# Altium PCB CSI2-ZCU106-EVK_Rev01.PcbDoc (part 2 of 4) (continued)
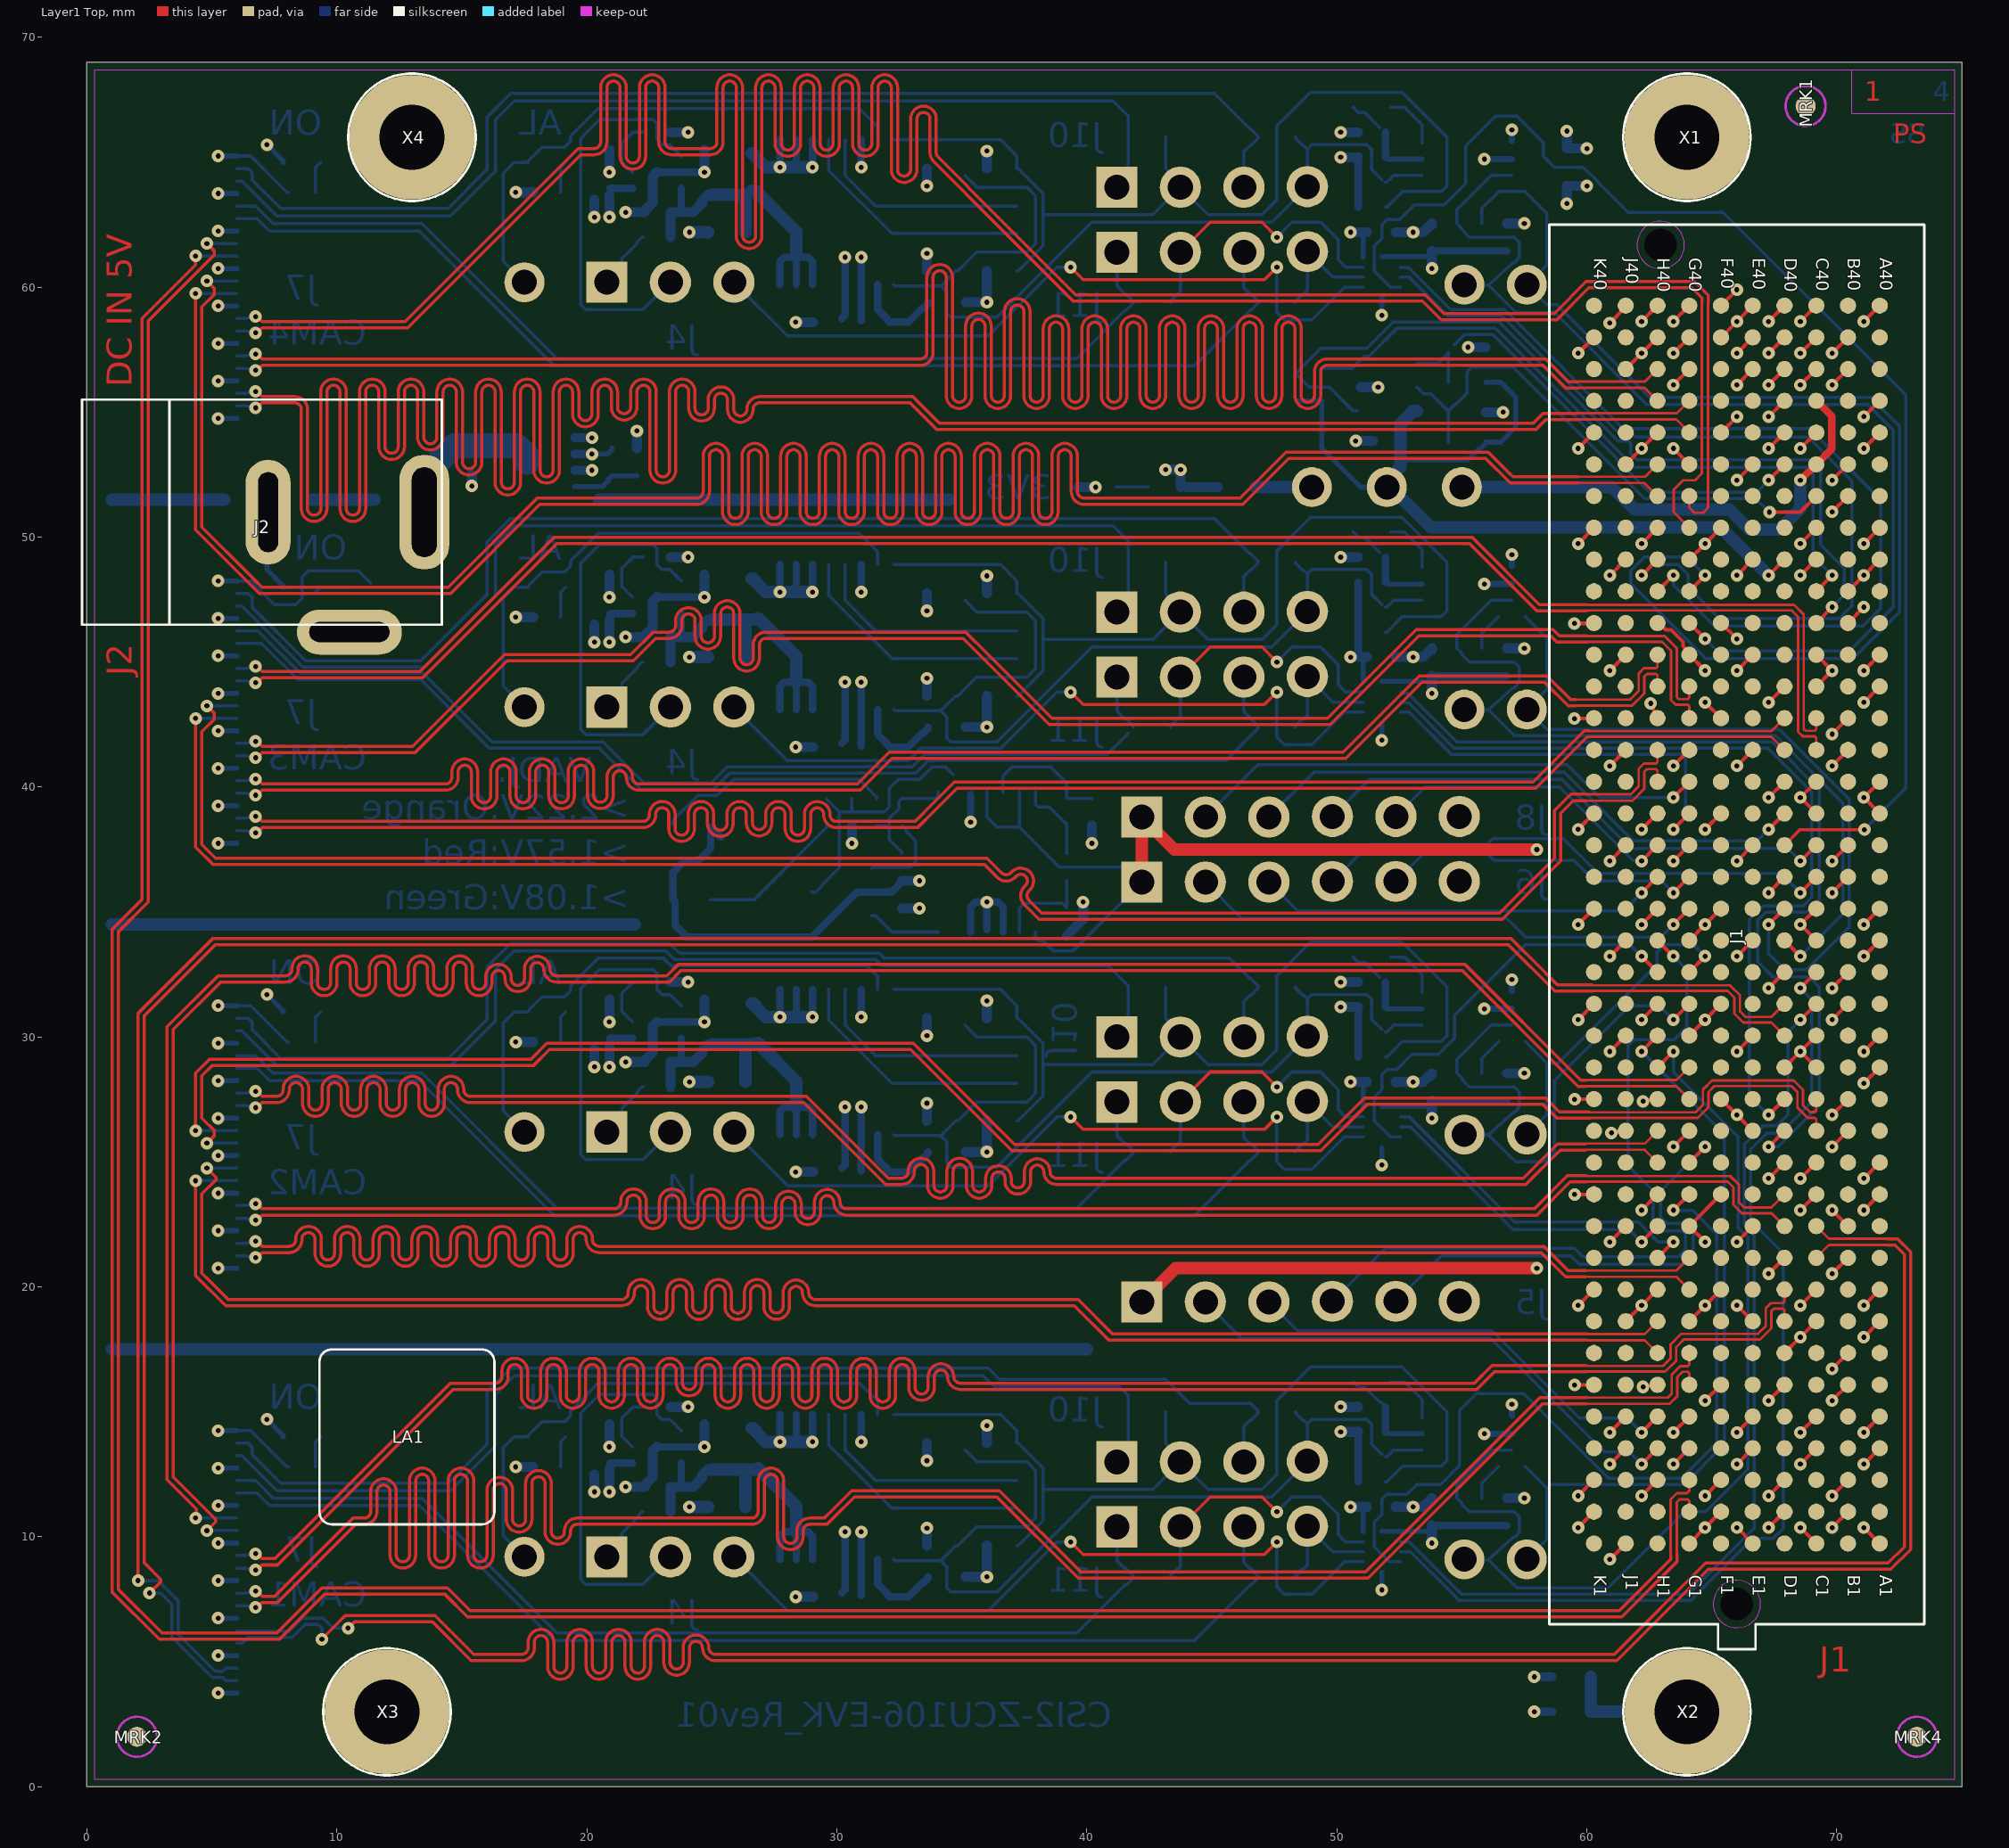
[diagram p0: Layer1 Top view]
## Nets (pads, with @x,y where several pads share a name; then routed paths per layer and width w, separated by ;. In a path a pad name is that pad's centre, name@x,y a point inside that pad or via, vN(x,y) a via of type N, cw(c..) or ccw(c..) an arc to the next point about the centre after c; other vN are vias at no path point) (continued)
  Layer4 Bottom w0.125: J7_CAM4.15@6,58.25 6.338,58.25 cw(c6.338,58.125) 6.361,58.248 6.445,58.232 v1(6.75,58.175)
B7-CSI2-TXD0_CAM1_N: J1.D18 J7_CAM1.20 | length 98
  Layer1 Top w0.1: 60.2,32.082 60.235,32.082 60.248,32.07 65.723,32.07 66.125,31.668 66.125,31.027 66.35,30.802 67.382,30.802 J1.D18@67.905,31.325
  Layer1 Top w0.125: v1(2.05,8.25) 2.05,30.954 5.046,33.95 56.954,33.95 58.252,32.652 58.429,32.475 58.821,32.082 60.2,32.082
  Layer4 Bottom w0.125: v1(2.05,8.25) 2.85,8.25 3.65,7.45 3.65,6.098 5.123,4.625 5.425,4.625 5.55,4.75 J7_CAM1.20@6,4.75
B7-CSI2-TXD0_CAM1_P: J1.D17 J7_CAM1.21 | length 97.9
  Layer1 Top w0.1: 60.2,31.832 60.235,31.832 60.248,31.845 65.63,31.845 65.9,31.575 65.9,30.934 66.257,30.577 67.383,30.577 J1.D17@67.905,30.055
  Layer1 Top w0.125: v1(2.5,7.75) 2.948,8.198 2.948,8.302 2.3,8.95 2.3,30.85 5.15,33.7 56.85,33.7 58.718,31.832 60.2,31.832
  Layer4 Bottom w0.125: v1(2.5,7.75) 2.95,7.75 3.4,7.3 3.4,5.995 5.02,4.375 5.384,4.375 5.425,4.375 5.55,4.25 J7_CAM1.21@6,4.25
B7-CSI2-TXD0_CAM2_N: J1.G10 J7_CAM2.20 | length 74
  Layer1 Top w0.1: 59.95,20.655 63.585,20.655 J1.G10@64.095,21.165
  Layer1 Top w0.125: v1(6.75,21.825) 6.811,21.825 7.011,21.625 7.9,21.625 7.995,21.625 8.088,21.625 ccw(c8.088,21.888) 8.35,21.888 8.35,21.913 cw(c8.863,21.913) 9.375,21.913 9.375,21.337 ccw(c9.638,21.337) 9.9,21.337 9.9,21.913 cw(c10.413,21.913) 10.925,21.913 10.925,21.337 ccw(c11.188,21.337) 11.45,21.337 11.45,21.913 cw(c11.963,21.913) 12.475,21.913 12.475,21.337 ccw(c12.738,21.337) 13,21.337 13,21.913 cw(c13.513,21.913) 14.025,21.913 14.025,21.337 ccw(c14.288,21.337) 14.55,21.337 14.55,21.913 cw(c15.063,21.913) 15.575,21.913 15.575,21.337 ccw(c15.838,21.337) 16.1,21.337 16.1,21.913 cw(c16.613,21.913) 17.125,21.913 17.125,21.337 ccw(c17.388,21.337) 17.65,21.337 17.65,21.913 cw(c18.163,21.913) 18.675,21.913 18.675,21.337 ccw(c18.938,21.337) 19.2,21.337 19.2,21.913 cw(c19.713,21.913) 20.225,21.913 20.225,21.888 ccw(c20.488,21.888) 20.488,21.625 32.9,21.625 58.279,21.625 59.249,20.655 59.95,20.655
  Layer4 Bottom w0.125: J7_CAM2.20@6,21.75 6.338,21.75 ccw(c6.338,21.875) 6.361,21.752 6.445,21.768 v1(6.75,21.825)
B7-CSI2-TXD0_CAM2_P: J1.G9 J7_CAM2.21 | length 74
  Layer1 Top w0.1: 59.95,20.405 63.585,20.405 J1.G9@64.095,19.895
  Layer1 Top w0.125: v1(6.75,21.175) 6.811,21.175 7.011,21.375 7.9,21.375 8.099,21.375 8.139,21.375 8.142,21.378 ccw(c8.088,21.888) 8.6,21.888 8.6,21.913 cw(c8.863,21.913) 9.125,21.913 9.125,21.337 ccw(c9.638,21.337) 10.15,21.337 10.15,21.913 cw(c10.413,21.913) 10.675,21.913 10.675,21.337 ccw(c11.188,21.337) 11.7,21.337 11.7,21.913 cw(c11.963,21.913) 12.225,21.913 12.225,21.337 ccw(c12.738,21.337) 13.25,21.337 13.25,21.913 cw(c13.513,21.913) 13.775,21.913 13.775,21.337 ccw(c14.288,21.337) 14.8,21.337 14.8,21.913 cw(c15.063,21.913) 15.325,21.913 15.325,21.337 ccw(c15.838,21.337) 16.35,21.337 16.35,21.913 cw(c16.613,21.913) 16.875,21.913 16.875,21.337 ccw(c17.388,21.337) 17.9,21.337 17.9,21.913 cw(c18.163,21.913) 18.425,21.913 18.425,21.337 ccw(c18.938,21.337) 19.45,21.337 19.45,21.913 cw(c19.713,21.913) 19.975,21.913 19.975,21.888 ccw(c20.488,21.888) 20.488,21.375 32.9,21.375 58.175,21.375 59.145,20.405 59.95,20.405
  Layer4 Bottom w0.125: J7_CAM2.21@6,21.25 6.338,21.25 cw(c6.338,21.125) 6.361,21.248 6.445,21.232 v1(6.75,21.175)
B7-CSI2-TXD0_CAM3_N: J1.D27 J7_CAM3.20 | length 71.9
  Layer1 Top w0.1: 60.15,42.232 67.383,42.232 J1.D27@67.905,42.755
  Layer1 Top w0.125: v1(6.75,38.825) 6.811,38.825 7.011,38.625 7.995,38.625 22.05,38.625 22.238,38.625 ccw(c22.238,38.887) 22.5,38.887 22.5,38.913 cw(c23.013,38.913) 23.525,38.913 23.525,38.337 ccw(c23.788,38.337) 24.05,38.337 24.05,38.913 cw(c24.563,38.913) 25.075,38.913 25.075,38.533 ccw(c25.338,38.533) 25.6,38.533 25.6,38.913 cw(c26.113,38.913) 26.625,38.913 26.625,38.558 ccw(c26.888,38.558) 27.15,38.558 27.15,38.913 cw(c27.663,38.913) 28.175,38.913 28.175,38.337 ccw(c28.438,38.337) 28.7,38.337 28.7,38.906 cw(c29.213,38.906) 29.725,38.906 29.725,38.887 ccw(c29.988,38.887) 29.988,38.625 33.125,38.625 33.9,39.4 34.7,40.2 57.85,40.2 59.9,42.25 60.1,42.25
  Layer4 Bottom w0.125: J7_CAM3.20@6,38.75 6.338,38.75 ccw(c6.338,38.875) 6.361,38.752 6.445,38.768 v1(6.75,38.825)
B7-CSI2-TXD0_CAM3_P: J1.D26 J7_CAM3.21 | length 71.9
  Layer1 Top w0.1: 60.077,42.007 67.383,42.007 J1.D26@67.905,41.485
  Layer1 Top w0.125: v1(6.75,38.175) 6.811,38.175 7.011,38.375 8.099,38.375 22.05,38.375 22.238,38.375 ccw(c22.238,38.887) 22.75,38.887 22.75,38.913 cw(c23.013,38.913) 23.275,38.913 23.275,38.337 ccw(c23.788,38.337) 24.3,38.337 24.3,38.913 cw(c24.563,38.913) 24.825,38.913 24.825,38.533 ccw(c25.338,38.533) 25.85,38.533 25.85,38.913 cw(c26.113,38.913) 26.375,38.913 26.375,38.558 ccw(c26.888,38.558) 27.4,38.558 27.4,38.913 cw(c27.663,38.913) 27.925,38.913 27.925,38.337 ccw(c28.438,38.337) 28.95,38.337 28.95,38.906 cw(c29.213,38.906) 29.475,38.906 29.475,38.887 ccw(c29.988,38.887) 29.988,38.375 33.229,38.375 33.9,39.046 34.804,39.95 56.854,39.95 57.954,39.95 60.004,42 60.077,42
  Layer4 Bottom w0.125: J7_CAM3.21@6,38.25 6.338,38.25 cw(c6.338,38.125) 6.361,38.248 6.445,38.232 v1(6.75,38.175)
B7-CSI2-TXD0_CAM4_N: J1.G37 J7_CAM4.20 | length 125.4
  Layer1 Top w0.1: 59.65,54.955 63.595,54.955 J1.G37@64.095,55.455
  Layer1 Top w0.125: v1(6.75,55.825) 6.811,55.825 7.011,55.625 7.35,55.625 8.313,55.625 cw(c8.313,55.112) 8.825,55.112 8.825,51.137 ccw(c9.088,51.137) 9.35,51.137 9.35,55.812 cw(c9.863,55.812) 10.375,55.812 10.375,51.137 ccw(c10.638,51.137) 10.9,51.137 10.9,55.812 cw(c11.413,55.812) 11.925,55.812 11.925,53.619 ccw(c12.188,53.619) 12.45,53.619 12.45,55.812 cw(c12.963,55.812) 13.475,55.812 13.475,54 ccw(c13.738,54) 14,54 14,55.812 cw(c14.513,55.812) 15.025,55.812 15.025,53 ccw(c15.288,53) 15.55,53 15.55,55.812 cw(c16.063,55.812) 16.575,55.812 16.575,52.193 ccw(c16.838,52.193) 17.1,52.193 17.1,55.812 cw(c17.613,55.812) 18.125,55.812 18.125,52.675 ccw(c18.388,52.675) 18.65,52.675 18.65,55.812 cw(c19.163,55.812) 19.675,55.812 19.675,54.925 ccw(c19.938,54.925) 20.2,54.925 20.2,55.812 cw(c20.713,55.812) 21.225,55.812 21.225,55.2 ccw(c21.488,55.2) 21.75,55.2 21.75,55.812 cw(c22.263,55.812) 22.775,55.812 22.775,52.675 ccw(c23.038,52.675) 23.3,52.675 23.3,55.812 cw(c23.813,55.812) 24.325,55.812 24.325,55.155 ccw(c24.588,55.155) 24.85,55.155 24.85,55.5 cw(c25.363,55.5) 25.875,55.5 25.875,55.112 ccw(c26.138,55.112) 26.4,55.112 cw(c26.913,55.112) 26.913,55.625 29.95,55.625 33.029,55.625 34.104,54.55 57.85,54.55 58.25,54.95 59.65,54.95
  Layer4 Bottom w0.125: J7_CAM4.20@6,55.75 6.338,55.75 ccw(c6.338,55.875) 6.361,55.752 6.445,55.768 v1(6.75,55.825)
B7-CSI2-TXD0_CAM4_P: J1.G36 J7_CAM4.21 | length 125.4
  Layer1 Top w0.1: 59.65,54.705 63.575,54.705 J1.G36@64.095,54.185
  Layer1 Top w0.125: v1(6.75,55.175) 6.811,55.175 7.011,55.375 7.35,55.375 8.313,55.375 cw(c8.313,55.112) 8.575,55.112 8.575,51.137 ccw(c9.088,51.137) 9.6,51.137 9.6,55.812 cw(c9.863,55.812) 10.125,55.812 10.125,51.137 ccw(c10.638,51.137) 11.15,51.137 11.15,55.812 cw(c11.413,55.812) 11.675,55.812 11.675,53.619 ccw(c12.188,53.619) 12.7,53.619 12.7,55.812 cw(c12.963,55.812) 13.225,55.812 13.225,54 ccw(c13.738,54) 14.25,54 14.25,55.812 cw(c14.513,55.812) 14.775,55.812 14.775,53 ccw(c15.288,53) 15.8,53 15.8,55.812 cw(c16.063,55.812) 16.325,55.812 16.325,52.193 ccw(c16.838,52.193) 17.35,52.193 17.35,55.812 cw(c17.613,55.812) 17.875,55.812 17.875,52.675 ccw(c18.388,52.675) 18.9,52.675 18.9,55.812 cw(c19.163,55.812) 19.425,55.812 19.425,54.925 ccw(c19.938,54.925) 20.45,54.925 20.45,55.812 cw(c20.713,55.812) 20.975,55.812 20.975,55.2 ccw(c21.488,55.2) 22,55.2 22,55.812 cw(c22.263,55.812) 22.525,55.812 22.525,52.675 ccw(c23.038,52.675) 23.55,52.675 23.55,55.812 cw(c23.813,55.812) 24.075,55.812 24.075,55.155 ccw(c24.588,55.155) 25.1,55.155 25.1,55.5 cw(c25.363,55.5) 25.625,55.5 25.625,55.112 ccw(c26.138,55.112) 26.65,55.112 cw(c26.913,55.112) 26.913,55.375 29.95,55.375 32.925,55.375 34,54.3 57.954,54.3 58.354,54.7 59.65,54.7
  Layer4 Bottom w0.125: J7_CAM4.21@6,55.25 6.338,55.25 cw(c6.338,55.125) 6.361,55.248 6.445,55.232 v1(6.75,55.175)
B7-CSI2-TXD1_CAM1_N: J1.C11 J7_CAM1.17 | length 97.9
  Layer1 Top w0.1: J1.C11@69.175,22.435 69.685,21.925 71.993,21.925
  Layer1 Top w0.125: v1(10.45,6.35) 10.7,6.6 13.821,6.6 15.371,5.05 17.2,5.05 17.388,5.05 ccw(c17.388,5.562) 17.9,5.562 17.9,5.788 cw(c18.163,5.788) 18.425,5.788 18.425,4.812 ccw(c18.938,4.812) 19.45,4.812 19.45,5.788 cw(c19.713,5.788) 19.975,5.788 19.975,4.812 ccw(c20.488,4.812) 21,4.812 21,5.788 cw(c21.263,5.788) 21.525,5.788 21.525,4.812 ccw(c22.038,4.812) 22.55,4.812 22.55,5.788 cw(c22.813,5.788) 23.075,5.788 23.075,4.976 ccw(c23.588,4.976) 24.1,4.976 24.1,5.563 cw(c24.363,5.563) 24.625,5.563 ccw(c25.138,5.562) 25.138,5.05 43.2,5.05 61.204,5.05 64.854,8.7 72.154,8.7 72.95,9.496 72.95,21.404 72.429,21.925 71.993,21.925
  Layer4 Bottom w0.125: J7_CAM1.17@6,6.25 6.021,6.229 8.104,6.229 8.625,6.75 9.454,6.75 9.854,6.35 10.439,6.35 v1(10.45,6.35)
B7-CSI2-TXD1_CAM1_P: J1.C10 J7_CAM1.18 | length 97.8
  Layer1 Top w0.1: J1.C10@69.175,21.165 69.685,21.675 72,21.675
  Layer1 Top w0.125: v1@9.394,5.906 10.012,6.525 10.012,6.531 10.269,6.788 10.275,6.788 10.338,6.85 13.925,6.85 15.475,5.3 17.2,5.3 17.388,5.3 ccw(c17.388,5.562) 17.65,5.562 17.65,5.788 cw(c18.163,5.788) 18.675,5.788 18.675,4.812 ccw(c18.938,4.812) 19.2,4.812 19.2,5.788 cw(c19.713,5.788) 20.225,5.788 20.225,4.812 ccw(c20.488,4.812) 20.75,4.812 20.75,5.788 cw(c21.263,5.788) 21.775,5.788 21.775,4.812 ccw(c22.038,4.812) 22.3,4.812 22.3,5.788 cw(c22.813,5.788) 23.325,5.788 23.325,4.976 ccw(c23.588,4.976) 23.85,4.976 23.85,5.563 cw(c24.363,5.563) 24.875,5.563 ccw(c25.138,5.562) 25.138,5.3 43.2,5.3 61.1,5.3 64.75,8.95 72.05,8.95 72.7,9.6 72.7,21.3 72.325,21.675 72,21.675
  Layer4 Bottom w0.125: J7_CAM1.18@6,5.75 6.211,5.75 6.439,5.979 8.207,5.979 8.729,6.5 9.25,6.5 9.4,6.35 v1(9.4,5.9)
B7-CSI2-TXD1_CAM2_N: J1.D12 J7_CAM2.17 | length 74.2
  Layer1 Top w0.1: 59.95,24.45 59.985,24.45 59.998,24.438 65.731,24.438 66.09,24.078 66.09,23.378 66.293,23.175 67.375,23.175 J1.D12@67.905,23.705
  Layer1 Top w0.125: v1(6.75,23.325) 6.811,23.325 7.011,23.125 7.995,23.125 20.9,23.125 21.088,23.125 ccw(c21.088,23.387) 21.35,23.387 21.35,23.413 cw(c21.863,23.413) 22.375,23.413 22.375,22.837 ccw(c22.638,22.837) 22.9,22.837 22.9,23.413 cw(c23.413,23.413) 23.925,23.413 23.925,22.837 ccw(c24.188,22.837) 24.45,22.837 24.45,23.413 cw(c24.963,23.413) 25.475,23.413 25.475,22.837 ccw(c25.738,22.837) 26,22.837 26,23.413 cw(c26.513,23.413) 27.025,23.413 27.025,22.837 ccw(c27.288,22.837) 27.55,22.837 27.55,23.319 cw(c28.063,23.319) 28.575,23.319 28.575,23 ccw(c28.838,23) 29.1,23 29.1,23.388 cw(c29.613,23.388) 30.125,23.388 ccw(c30.388,23.387) 30.388,23.125 38.05,23.125 57.9,23.125 59.225,24.45 59.95,24.45
  Layer4 Bottom w0.125: J7_CAM2.17@6,23.25 6.338,23.25 ccw(c6.338,23.375) 6.361,23.252 6.445,23.268 v1(6.75,23.325)
B7-CSI2-TXD1_CAM2_P: J1.D11 J7_CAM2.18 | length 74.2
  Layer1 Top w0.1: 59.95,24.2 59.985,24.2 59.998,24.212 65.638,24.212 65.865,23.985 65.865,23.285 66.2,22.95 67.39,22.95 J1.D11@67.905,22.435
  Layer1 Top w0.125: v1(6.75,22.675) 6.811,22.675 7.011,22.875 8.099,22.875 20.9,22.875 21.088,22.875 ccw(c21.088,23.387) 21.6,23.387 21.6,23.413 cw(c21.863,23.413) 22.125,23.413 22.125,22.837 ccw(c22.638,22.837) 23.15,22.837 23.15,23.413 cw(c23.413,23.413) 23.675,23.413 23.675,22.837 ccw(c24.188,22.837) 24.7,22.837 24.7,23.413 cw(c24.963,23.413) 25.225,23.413 25.225,22.837 ccw(c25.738,22.837) 26.25,22.837 26.25,23.413 cw(c26.513,23.413) 26.775,23.413 26.775,22.837 ccw(c27.288,22.837) 27.8,22.837 27.8,23.319 cw(c28.063,23.319) 28.325,23.319 28.325,23 ccw(c28.838,23) 29.35,23 29.35,23.388 cw(c29.613,23.388) 29.875,23.388 ccw(c30.388,23.387) 30.388,22.875 38.05,22.875 58.004,22.875 59.329,24.2 59.95,24.2
  Layer4 Bottom w0.125: J7_CAM2.18@6,22.75 6.338,22.75 cw(c6.338,22.625) 6.361,22.748 6.445,22.732 v1(6.75,22.675)
B7-CSI2-TXD1_CAM3_N: J1.H29 J7_CAM3.17 | length 72.7
  Layer1 Top w0.1: 59.55,43.5 61.732,43.5 61.863,43.631 ccw(c61.555,44.025) 61.949,43.717 62.075,43.843 62.075,44.545 ; 62.1,44.57 62.285,44.755 62.766,44.755 62.825,44.814 J1.H29@62.825,45.295
  Layer1 Top w0.125: v1(6.75,40.325) 6.811,40.325 7.011,40.125 7.995,40.125 14.15,40.125 14.338,40.125 ccw(c14.338,40.387) 14.6,40.387 14.6,40.613 cw(c15.113,40.613) 15.625,40.613 15.625,39.637 ccw(c15.888,39.637) 16.15,39.637 16.15,40.613 cw(c16.663,40.613) 17.175,40.613 17.175,39.637 ccw(c17.438,39.637) 17.7,39.637 17.7,40.613 cw(c18.213,40.613) 18.725,40.613 18.725,39.637 ccw(c18.988,39.637) 19.25,39.637 19.25,40.613 cw(c19.763,40.613) 20.275,40.613 20.275,39.652 ccw(c20.538,39.652) 20.8,39.652 20.8,40.388 cw(c21.313,40.388) 21.825,40.388 ccw(c22.088,40.387) 22.088,40.125 27.1,40.125 30.825,40.125 32.1,41.4 50.25,41.4 53.3,44.45 58.404,44.45 59.354,43.5 59.55,43.5
  Layer4 Bottom w0.125: J7_CAM3.17@6,40.25 6.338,40.25 ccw(c6.338,40.375) 6.361,40.252 6.445,40.268 v1(6.75,40.325)
B7-CSI2-TXD1_CAM3_P: J1.H28 J7_CAM3.18 | length 72.7
  Layer1 Top w0.1: 59.55,43.255 61.805,43.255 62.013,43.463 ccw(c61.555,44.025) 62.117,43.567 ; 62.117,43.567 62.3,43.75 62.3,44.43 62.4,44.53 62.766,44.53 62.825,44.471 J1.H28@62.825,44.025
  Layer1 Top w0.125: v1(6.75,39.675) 6.811,39.675 7.011,39.875 8.099,39.875 14.15,39.875 14.338,39.875 ccw(c14.338,40.387) 14.85,40.387 14.85,40.613 cw(c15.113,40.613) 15.375,40.613 15.375,39.637 ccw(c15.888,39.637) 16.4,39.637 16.4,40.613 cw(c16.663,40.613) 16.925,40.613 16.925,39.637 ccw(c17.438,39.637) 17.95,39.637 17.95,40.613 cw(c18.213,40.613) 18.475,40.613 18.475,39.637 ccw(c18.988,39.637) 19.5,39.637 19.5,40.613 cw(c19.763,40.613) 20.025,40.613 20.025,39.652 ccw(c20.538,39.652) 21.05,39.652 21.05,40.388 cw(c21.313,40.388) 21.575,40.388 ccw(c22.088,40.387) 22.088,39.875 27.1,39.875 30.929,39.875 32.204,41.15 50.354,41.15 53.404,44.2 58.3,44.2 59.25,43.25 59.55,43.25
  Layer4 Bottom w0.125: J7_CAM3.18@6,39.75 6.338,39.75 cw(c6.338,39.625) 6.361,39.748 6.445,39.732 v1(6.75,39.675)
B7-CSI2-TXD1_CAM4_N: J1.H38 J7_CAM4.17 | length 125.2
  Layer1 Top w0.1: 59.65,56.225 62.325,56.225 J1.H38@62.825,56.725
  Layer1 Top w0.125: v1(6.75,57.325) 6.811,57.325 7.011,57.125 7.995,57.125 33.15,57.125 33.338,57.125 ccw(c33.338,57.388) 33.6,57.388 33.6,60.4 cw(c34.113,60.4) 34.625,60.4 34.625,55.663 ccw(c34.888,55.663) 35.15,55.663 35.15,58.45 cw(c35.663,58.45) 36.175,58.45 36.175,55.663 ccw(c36.438,55.663) 36.7,55.663 36.7,59.029 cw(c37.213,59.029) 37.725,59.029 37.725,55.663 ccw(c37.988,55.663) 38.25,55.663 38.25,58.338 cw(c38.763,58.338) 39.275,58.338 39.275,55.663 ccw(c39.538,55.663) 39.8,55.663 39.8,58.338 cw(c40.313,58.338) 40.825,58.338 40.825,55.663 ccw(c41.088,55.663) 41.35,55.663 41.35,58.338 cw(c41.863,58.338) 42.375,58.338 42.375,55.663 ccw(c42.638,55.663) 42.9,55.663 42.9,58.338 cw(c43.413,58.338) 43.925,58.338 43.925,55.663 ccw(c44.188,55.663) 44.45,55.663 44.45,58.338 cw(c44.963,58.338) 45.475,58.338 45.475,55.663 ccw(c45.738,55.663) 46,55.663 46,58.338 cw(c46.513,58.338) 47.025,58.338 47.025,55.663 ccw(c47.288,55.663) 47.55,55.663 47.55,58.338 cw(c48.063,58.338) 48.575,58.338 48.575,55.663 ccw(c48.838,55.663) 49.1,55.663 49.1,56.613 cw(c49.613,56.613) 49.613,57.125 57.727,57.125 58.354,57.125 59.254,56.225 59.65,56.225
  Layer4 Bottom w0.125: J7_CAM4.17@6,57.25 6.338,57.25 ccw(c6.338,57.375) 6.361,57.252 6.445,57.268 v1(6.75,57.325)
B7-CSI2-TXD1_CAM4_P: J1.H37 J7_CAM4.18 | length 125.2
  Layer1 Top w0.1: 59.65,55.975 62.305,55.975 J1.H37@62.825,55.455
  Layer1 Top w0.125: v1(6.75,56.675) 6.811,56.675 7.011,56.875 8.099,56.875 33.15,56.875 33.338,56.875 ccw(c33.338,57.388) 33.85,57.388 33.85,60.4 cw(c34.113,60.4) 34.375,60.4 34.375,55.663 ccw(c34.888,55.663) 35.4,55.663 35.4,58.45 cw(c35.663,58.45) 35.925,58.45 35.925,55.663 ccw(c36.438,55.663) 36.95,55.663 36.95,59.029 cw(c37.213,59.029) 37.475,59.029 37.475,55.663 ccw(c37.988,55.663) 38.5,55.663 38.5,58.338 cw(c38.763,58.338) 39.025,58.338 39.025,55.663 ccw(c39.538,55.663) 40.05,55.663 40.05,58.338 cw(c40.313,58.338) 40.575,58.338 40.575,55.663 ccw(c41.088,55.663) 41.6,55.663 41.6,58.338 cw(c41.863,58.338) 42.125,58.338 42.125,55.663 ccw(c42.638,55.663) 43.15,55.663 43.15,58.338 cw(c43.413,58.338) 43.675,58.338 43.675,55.663 ccw(c44.188,55.663) 44.7,55.663 44.7,58.338 cw(c44.963,58.338) 45.225,58.338 45.225,55.663 ccw(c45.738,55.663) 46.25,55.663 46.25,58.338 cw(c46.513,58.338) 46.775,58.338 46.775,55.663 ccw(c47.288,55.663) 47.8,55.663 47.8,58.338 cw(c48.063,58.338) 48.325,58.338 48.325,55.663 ccw(c48.838,55.663) 49.35,55.663 49.35,56.613 cw(c49.613,56.613) 49.613,56.875 57.727,56.875 58.25,56.875 59.15,55.975 59.65,55.975
  Layer4 Bottom w0.125: J7_CAM4.18@6,56.75 6.338,56.75 cw(c6.338,56.625) 6.361,56.748 6.445,56.732 v1(6.75,56.675)
B7-CSI2-TXD2_CAM1_N: J1.D9 J7_CAM1.11 | length 97.9
  Layer1 Top w0.1: 59.95,16.85 59.985,16.85 59.998,16.837 63.044,16.837 63.35,17.143 63.35,17.693 63.782,18.125 66.837,18.125 66.842,18.125 67.155,18.438 67.155,19.145 67.365,19.355 67.846,19.355 67.905,19.414 J1.D9@67.905,19.895
  Layer1 Top w0.125: v1(6.75,9.325) 6.811,9.325 7.011,9.125 7.521,9.125 14.546,16.15 16.15,16.15 16.338,16.15 ccw(c16.338,16.413) 16.6,16.413 16.6,16.638 cw(c17.113,16.638) 17.625,16.638 17.625,15.663 ccw(c17.888,15.663) 18.15,15.663 18.15,16.638 cw(c18.663,16.638) 19.175,16.638 19.175,15.663 ccw(c19.438,15.663) 19.7,15.663 19.7,16.638 cw(c20.213,16.638) 20.725,16.638 20.725,15.663 ccw(c20.988,15.663) 21.25,15.663 21.25,16.638 cw(c21.763,16.638) 22.275,16.638 22.275,15.663 ccw(c22.538,15.663) 22.8,15.663 22.8,16.638 cw(c23.313,16.638) 23.825,16.638 23.825,16.15 ccw(c24.088,16.15) 24.35,16.15 24.35,16.638 cw(c24.863,16.638) 25.375,16.638 25.375,15.663 ccw(c25.638,15.663) 25.9,15.663 25.9,16.638 cw(c26.413,16.638) 26.925,16.638 26.925,15.663 ccw(c27.188,15.663) 27.45,15.663 27.45,16.638 cw(c27.963,16.638) 28.475,16.638 28.475,15.663 ccw(c28.738,15.663) 29,15.663 29,16.638 cw(c29.513,16.638) 30.025,16.638 30.025,15.663 ccw(c30.288,15.663) 30.55,15.663 30.55,16.638 cw(c31.063,16.638) 31.575,16.638 31.575,15.663 ccw(c31.838,15.663) 32.1,15.663 32.1,16.638 cw(c32.613,16.638) 33.125,16.638 33.125,15.976 ccw(c33.388,15.976) 33.65,15.976 33.65,16.413 cw(c34.163,16.413) 34.675,16.413 ccw(c34.938,16.413) 34.938,16.15 40.725,16.15 43.05,16.15 55.5,16.15 56.2,16.85 59.95,16.85
  Layer4 Bottom w0.125: J7_CAM1.11@6,9.25 6.338,9.25 ccw(c6.338,9.375) 6.361,9.252 6.445,9.268 v1(6.75,9.325)
B7-CSI2-TXD2_CAM1_P: J1.D8 J7_CAM1.12 | length 97.9
  Layer1 Top w0.1: 59.95,16.6 59.985,16.6 59.998,16.612 63.137,16.612 63.575,17.05 63.575,17.6 63.875,17.9 66.837,17.9 66.935,17.9 67.38,18.345 67.38,19.03 67.48,19.13 67.846,19.13 67.905,19.071 J1.D8@67.905,18.625
  Layer1 Top w0.125: v1(6.75,8.675) 6.811,8.675 7.011,8.875 7.625,8.875 14.65,15.9 16.15,15.9 16.338,15.9 ccw(c16.338,16.413) 16.85,16.413 16.85,16.638 cw(c17.113,16.638) 17.375,16.638 17.375,15.663 ccw(c17.888,15.663) 18.4,15.663 18.4,16.638 cw(c18.663,16.638) 18.925,16.638 18.925,15.663 ccw(c19.438,15.663) 19.95,15.663 19.95,16.638 cw(c20.213,16.638) 20.475,16.638 20.475,15.663 ccw(c20.988,15.663) 21.5,15.663 21.5,16.638 cw(c21.763,16.638) 22.025,16.638 22.025,15.663 ccw(c22.538,15.663) 23.05,15.663 23.05,16.638 cw(c23.313,16.638) 23.575,16.638 23.575,16.15 ccw(c24.088,16.15) 24.6,16.15 24.6,16.638 cw(c24.863,16.638) 25.125,16.638 25.125,15.663 ccw(c25.638,15.663) 26.15,15.663 26.15,16.638 cw(c26.413,16.638) 26.675,16.638 26.675,15.663 ccw(c27.188,15.663) 27.7,15.663 27.7,16.638 cw(c27.963,16.638) 28.225,16.638 28.225,15.663 ccw(c28.738,15.663) 29.25,15.663 29.25,16.638 cw(c29.513,16.638) 29.775,16.638 29.775,15.663 ccw(c30.288,15.663) 30.8,15.663 30.8,16.638 cw(c31.063,16.638) 31.325,16.638 31.325,15.663 ccw(c31.838,15.663) 32.35,15.663 32.35,16.638 cw(c32.613,16.638) 32.875,16.638 32.875,15.976 ccw(c33.388,15.976) 33.9,15.976 33.9,16.413 cw(c34.163,16.413) 34.425,16.413 ccw(c34.938,16.413) 34.938,15.9 40.725,15.9 43.05,15.9 55.604,15.9 56.304,16.6 59.95,16.6
  Layer4 Bottom w0.125: J7_CAM1.12@6,8.75 6.338,8.75 cw(c6.338,8.625) 6.361,8.748 6.445,8.732 v1(6.75,8.675)
B7-CSI2-TXD2_CAM2_N: J1.C15 J7_CAM2.11 | length 74.2
  Layer1 Top w0.1: 60.075,27 60.11,27 60.123,26.987 64.342,26.987 64.64,27.285 64.64,27.896 65.007,28.263 68.276,28.263 68.65,27.888 68.65,27.268 68.926,26.992 69.116,26.992 69.175,27.051 J1.C15@69.175,27.515
  Layer1 Top w0.125: v1(4.35,26.25) 4.35,28.554 4.896,29.1 17.75,29.1 18.4,29.75 33.054,29.75 35.727,27.077 35.904,26.9 37.104,25.7 39.154,25.7 49.25,25.7 51.1,27.55 58.354,27.55 58.877,27.027 58.904,27 60.075,27
  Layer4 Bottom w0.125: v1(4.35,26.25) J7_CAM2.11@6,26.25
B7-CSI2-TXD2_CAM2_P: J1.C14 J7_CAM2.12 | length 74.2
  Layer1 Top w0.1: 60.075,26.75 60.11,26.75 60.123,26.762 64.436,26.762 64.865,27.192 64.865,27.802 65.1,28.038 68.182,28.038 68.425,27.795 68.425,27.175 68.833,26.767 69.116,26.767 69.175,26.709 J1.C14@69.175,26.245
  Layer1 Top w0.125: v1(4.8,25.75) 5.1,26.05 5.1,26.25 4.6,26.75 4.6,28.45 5,28.85 17.854,28.85 18.504,29.5 32.95,29.5 37,25.45 39.05,25.45 39.154,25.45 49.354,25.45 51.204,27.3 58.25,27.3 58.8,26.75 60.075,26.75
  Layer4 Bottom w0.125: v1(4.8,25.75) J7_CAM2.12@6,25.75
B7-CSI2-TXD2_CAM3_N: J1.H26 J7_CAM3.11 | length 71.9
  Layer1 Top w0.1: 59.95,39.715 61.762,39.715 62.075,40.028 62.075,40.735 ; 62.1,40.76 62.285,40.945 62.766,40.945 62.825,41.004 J1.H26@62.825,41.485
  Layer1 Top w0.125: v1(4.8,43.25) 5.1,42.95 5.1,42.719 4.6,42.219 4.6,37.7 5.15,37.15 36.004,37.15 36.452,36.702 36.584,36.57 ccw(c36.77,36.755) 36.956,36.57 36.993,36.607 cw(c37.356,36.245) 37.677,36.644 37.682,36.644 37.755,36.57 37.755,36.566 cw(c37.356,36.245) 37.718,35.882 37.681,35.845 ; 37.681,35.473 38.191,34.962 39.112,34.962 56.512,34.962 58.7,37.15 58.7,39.054 59.361,39.715 59.95,39.715 ; 37.681,35.473 cw(c37.866,35.659) 37.68,35.844
  Layer4 Bottom w0.125: v1(4.8,43.25) J7_CAM3.11@6,43.25
B7-CSI2-TXD2_CAM3_P: J1.H25 J7_CAM3.12 | length 71.9
  Layer1 Top w0.1: 59.963,39.45 61.815,39.45 62.3,39.935 62.3,40.62 62.4,40.72 62.766,40.72 62.825,40.661 J1.H25@62.825,40.215
  Layer1 Top w0.125: v1(4.35,42.75) 4.35,37.596 5.046,36.9 35.9,36.9 36.275,36.525 36.407,36.393 ccw(c36.77,36.755) 37.133,36.393 37.17,36.43 cw(c37.356,36.245) 37.541,36.059 ; 37.541,36.058 37.504,36.021 ccw(c37.866,35.659) 37.504,35.296 38.088,34.712 38.862,34.712 56.616,34.712 58.95,37.046 58.95,38.95 59.45,39.45 59.963,39.45
  Layer4 Bottom w0.125: v1(4.35,42.75) J7_CAM3.12@6,42.75
B7-CSI2-TXD2_CAM4_N: J1.H35 J7_CAM4.11 | length 125.2
  Layer1 Top w0.1: 59.65,52.415 62.325,52.415 J1.H35@62.825,52.915
  Layer1 Top w0.125: v1(4.8,60.25) 5.1,59.95 5.1,59.719 4.6,59.219 4.6,50.4 6.55,48.45 6.727,48.273 7,48 14.45,48 18.012,51.562 24.2,51.562 24.388,51.562 ccw(c24.388,51.825) 24.65,51.825 24.65,53.238 cw(c25.163,53.238) 25.675,53.238 25.675,51.013 ccw(c25.938,51.013) 26.2,51.013 26.2,53.238 cw(c26.713,53.238) 27.225,53.238 27.225,51.013 ccw(c27.488,51.013) 27.75,51.013 27.75,53.238 cw(c28.263,53.238) 28.775,53.238 28.775,51.013 ccw(c29.038,51.013) 29.3,51.013 29.3,53.238 cw(c29.813,53.238) 30.325,53.238 30.325,51.013 ccw(c30.588,51.013) 30.85,51.013 30.85,53.238 cw(c31.363,53.238) 31.875,53.238 31.875,51.013 ccw(c32.138,51.013) 32.4,51.013 32.4,53.238 cw(c32.913,53.238) 33.425,53.238 33.425,51.013 ccw(c33.688,51.013) 33.95,51.013 33.95,53.238 cw(c34.463,53.238) 34.975,53.238 34.975,51.013 ccw(c35.238,51.013) 35.5,51.013 35.5,53.238 cw(c36.013,53.238) 36.525,53.238 36.525,51.013 ccw(c36.788,51.013) 37.05,51.013 37.05,53.238 cw(c37.563,53.238) 38.075,53.238 38.075,51.013 ccw(c38.338,51.013) 38.6,51.013 38.6,53.238 cw(c39.113,53.238) 39.625,53.238 39.625,51.825 ccw(c39.888,51.825) 39.888,51.562 46.131,51.562 47.45,52.881 47.969,53.4 56.054,53.4 56.927,52.527 57.039,52.415 59.65,52.415
  Layer4 Bottom w0.125: v1(4.8,60.25) J7_CAM4.11@6,60.25